# Altium PCB SI940D.PcbDoc (part 2 of 3)
Units mm, origin at the board's own origin, x right, y up, seen from the top; angles counter-clockwise.
Board outline 281.94 x 89 mm, 4 copper layers (Top, Mid-Layer1, Mid-Layer2, Bottom), stack 1.65 mm thick; 290 components, 161 nets, 820 pads, 571 vias.
Unrouted connection lines stored in the file: 3.
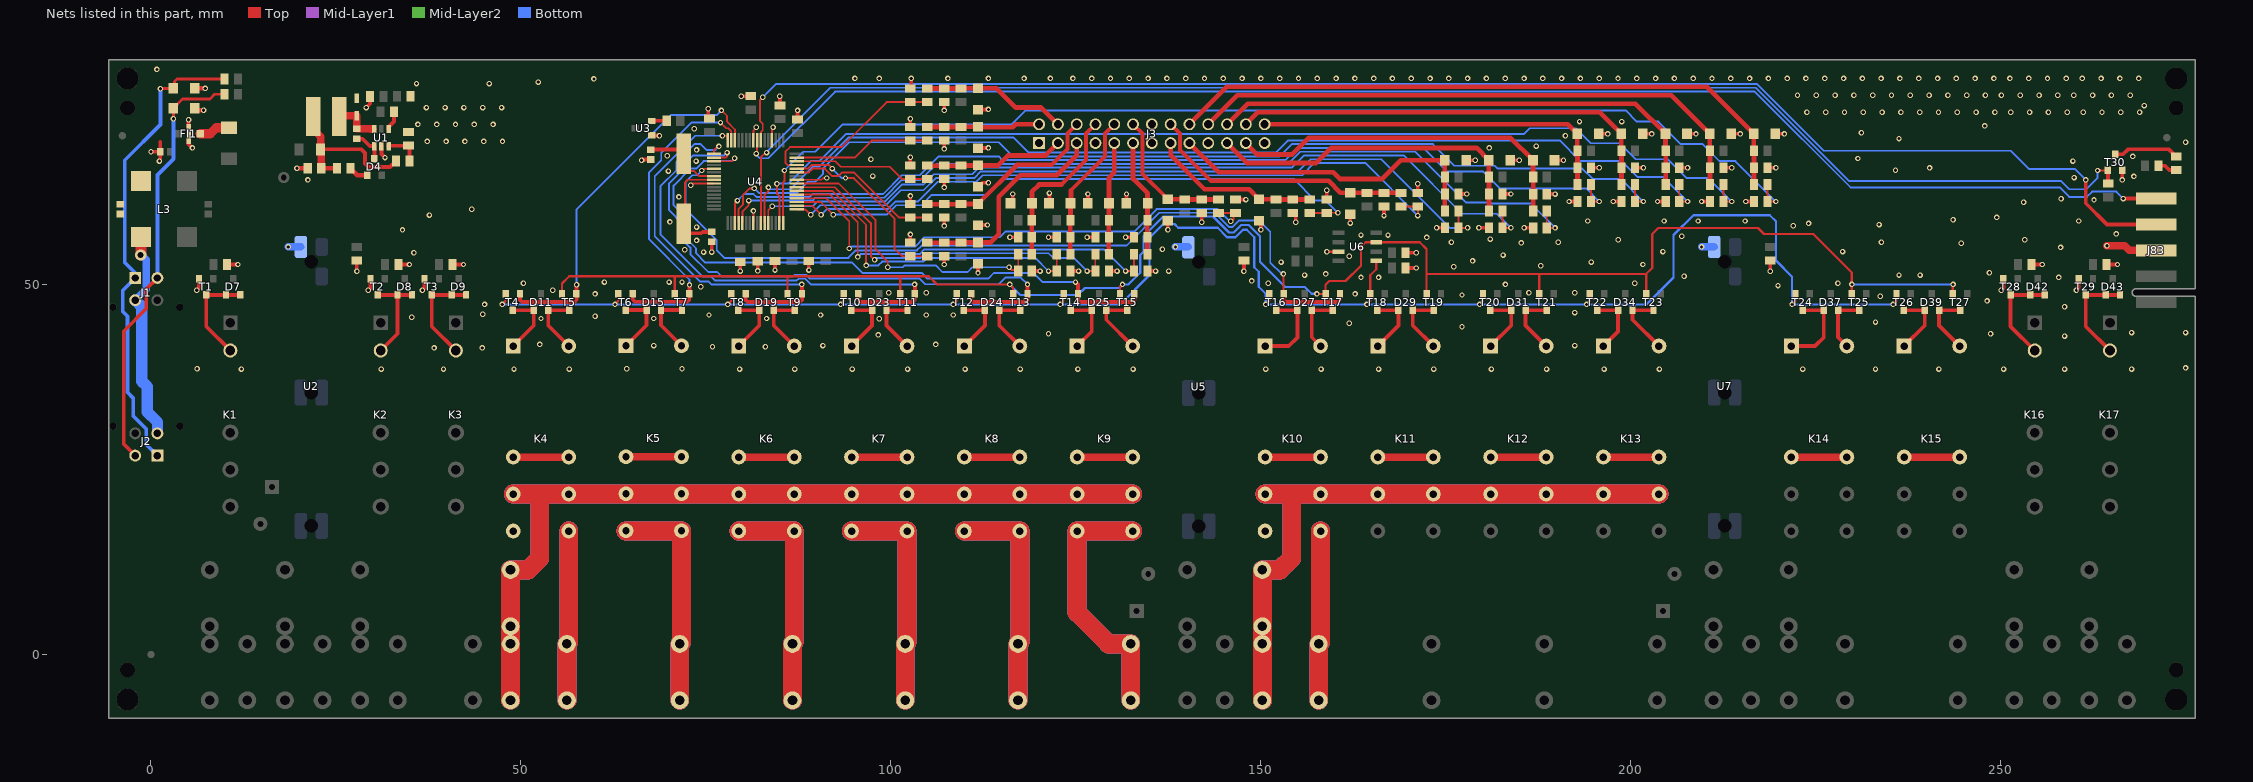
[diagram p4: the nets of this part, all layers, seen from the top]

## Via types
v1: diameter 0.737, hole 0.432, Top to Bottom, 561 vias
v2: diameter 1.27, hole 0.8, Top to Bottom, 6 vias
v3: diameter 1.524, hole 0.8, Top to Bottom, 4 vias

## Nets (pads, with @x,y where several pads share a name; then routed paths per layer and width w, separated by ;. In a path a pad name is that pad's centre, name@x,y a point inside that pad or via, vN(x,y) a via of type N, cw(c..) or ccw(c..) an arc to the next point about the centre after c; other vN are vias at no path point) (continued)
GND: C1.2 C2.1 C4.1 C5.2 C6.1 C7.1 C8.1 C9.1 C10.1 C11.1 C12.1 C13.1 C14.1 C15.1 C16.2 C17.1 C18.1 C19.1 C20.1 C21.1 C22.1 C23.1 C24.1 C25.1 C26.1 C27.2 C28.1 C29.1 C30.1 C31.1 C32.1 C33.1 C34.2 C35.1 C36.1 C37.1 C38.2 C39.1 C40.1 D1.A D2.A D6.A D10.A D12.A D13.A D14.A D16.A D17.A D18.A D20.A D21.A D22.A D26.A D28.A D30.A D32.A D33.A D35.A D36.A D38.A D40.A D41.A FI1.2 J3.1 J3.7 J3.13 J3.14 J3.19 J3.25 J83.3 L3.4 R4.1 R6.1 R7.1 R8.1 R11.1 R14.1 R17.1 R20.1 R23.1 R26.1 R29.1 R32.1 R35.1 R38.1 R43.1 R48.1 R51.1 R54.1 R57.1 R60.1 R63.1 R66.1 R69.1 R72.1 R74.1 R75.1 R80.1 T1.2 T2.2 T3.2 T28.2 T29.2 T30.2 U1.2 U2.3UC U3.1 U4.9 U4.20 U4.25 U4.41 U4.56 U5.3UC U6.3 U7.3UC | length 152.7
  Top w0.254: v1(72.934,63.422) 73.16,63.648 U4.41@76.065,63.648 ; v1(81.407,59.944) 81.407,59.707 81.415,59.699 U4.56@81.415,58.298 ; U4.25@81.415,69.498 81.415,70.747 81.788,71.12 v1(81.788,71.247) ; U4.20@83.915,69.498 83.915,71.088 v1(84.074,71.247) ; U4.9@87.265,64.148 90.611,64.148 90.851,64.389 v1(91.313,64.389) v1@91.313,64.262
  Top w0.381: v1(158.909,54.435) U6.3@160.56,54.435
  Top w0.5: v1(5.08,72.263) FI1.2@5.08,70.358 5.08,68.961 v1(5.588,68.453)
  Top w0.508: v1(0,67.945) C40.1@1.234,67.945 ; v1(1.143,66.675) 1.234,66.766 C40.1@1.234,67.945 ; 1.234,69.251 C40.1@1.234,67.945 ; v1(6.191,49.212) 6.486,49.508 T1.2@6.486,50.789 ; R6.1@10.281,52.705 v1(11.747,52.705) ; v1(27.819,51.791) C5.2@27.819,53.257 ; v1(29.083,73.914) 29.597,74.428 C1.2@29.597,75.406 ; v1(29.369,49.212) 29.664,49.508 T2.2@29.664,50.789 ; U1.2@31.147,68.699 31.147,67.627 v1(31.623,67.151) ; R7.1@33.458,52.705 v1@34.766,52.705 ; v1(36.671,49.212) 36.966,49.508 T3.2@36.966,50.789 ; R8.1@40.761,52.705 v1(42.227,52.705) ; v1(66.294,66.802) 66.385,66.893 C21.1@67.564,66.893 ; U3.1@67.648,70.145 68.666,70.145 v1(68.707,70.104) ; C20.1@75.315,72.433 v1(75.315,73.741) ; v1(75.791,54.373) C22.1@75.791,55.766 ; v1(79.629,51.816) C16.2@79.629,53.188 ; v1(79.756,75.438) 81.019,75.438 C18.1@81.03,75.449 ; v1(81.982,51.833) C24.1@81.982,53.141 ; v1(84.328,51.943) C25.1@84.328,53.188 ; v1(84.963,75.438) 84.999,75.402 C17.1@84.999,74.179 ; C19.1@87.38,72.274 v1(87.38,73.529) ; v1(88.9,51.943) C23.1@88.9,53.188 ; C12.1@102.616,55.651 v1(102.616,56.769) ; C14.1@102.616,60.858 v1(102.616,61.976) ; C8.1@102.616,66.065 v1(102.616,67.183) ; C6.1@102.616,71.272 v1(102.616,72.39) ; C10.1@102.616,76.479 102.743,76.606 v1(102.743,77.851) ; v1(107.188,52.705) R29.1@107.188,53.823 ; v1(107.188,57.912) R35.1@107.188,59.03 ; v1(107.188,63.119) R17.1@107.188,64.237 ; v1(107.188,68.326) R11.1@107.188,69.444 ; v1(107.188,73.533) R23.1@107.188,74.651 ; v1(111.76,51.562) D18.A@111.76,52.779 ; D21.A@111.76,57.986 111.813,58.039 v1(113.03,58.039) ; D13.A@111.76,63.193 112.321,63.754 v1(113.157,63.754) ; D16.A@111.76,73.607 111.813,73.66 v1(113.157,73.66) ; D10.A@111.813,68.453 v1(113.157,68.453) ; v1(116.078,56.388) R14.1@117.196,56.388 ; D12.A@116.152,60.96 116.459,61.267 v1(116.459,62.23) ; C7.1@119.024,51.816 v1(120.142,51.816) ; v1(121.285,56.388) R26.1@122.403,56.388 ; D17.A@121.359,60.96 121.412,61.013 v1(121.412,62.357) ; C11.1@124.231,51.816 v1(125.349,51.816) ; v1(126.492,56.388) R20.1@127.61,56.388 ; D14.A@126.566,60.96 126.619,61.013 v1(126.619,62.23) ; C9.1@129.438,51.816 v1(130.556,51.816) ; v1(131.699,56.388) R32.1@132.817,56.388 ; D20.A@131.773,60.96 131.826,61.013 v1(131.826,62.23) ; C13.1@134.645,51.816 v1(135.763,51.816) ; v1(137.414,57.404) D22.A@137.414,58.621 ; v1(141.986,58.42) R38.1@141.986,59.665 ; C15.1@146.558,61.493 147.93,61.493 v1(147.955,61.468) ; v1(147.696,51.791) C27.2@147.696,53.257 ; D26.A@149.733,58.621 149.987,58.367 v1(149.987,57.404) ; R43.1@154.305,59.665 154.686,59.284 v1(154.686,58.42) ; C26.1@158.877,61.493 v1(158.877,62.738) ; v1(162.052,58.293) D28.A@162.052,59.51 ; v1(166.624,59.309) R48.1@166.624,60.554 ; C39.1@169.507,52.229 v1(170.974,52.229) ; C38.2@169.507,54.292 v1(170.974,54.292) ; C28.1@171.196,62.382 v1(171.196,63.627) ; v1(173.736,57.658) C29.1@174.854,57.658 ; R51.1@176.682,62.23 v1(177.8,62.23) ; D30.A@177.726,66.802 v1(178.943,66.802) ; v1(179.451,57.658) C32.1@180.823,57.658 ; R60.1@182.651,62.23 v1(183.769,62.23) ; D35.A@183.695,66.802 v1(184.912,66.802) ; v1(185.547,57.658) 186.776,57.658 C35.1@186.792,57.642 ; R66.1@188.62,62.214 v1(189.738,62.214) ; D38.A@189.664,66.786 v1(190.881,66.786) ; v1(191.643,61.214) C37.1@192.761,61.214 ; R72.1@194.589,65.786 v1(195.707,65.786) ; D41.A@195.633,70.358 v1(196.85,70.358) ; v1(197.612,61.214) C36.1@198.73,61.214 ; R69.1@200.558,65.786 v1(201.676,65.786) ; D40.A@201.602,70.358 v1(202.819,70.358) ; v1(203.581,61.214) C33.1@204.699,61.214 ; R63.1@206.527,65.786 v1(207.645,65.786) ; D36.A@207.571,70.358 v1(208.788,70.358) ; v1(209.55,61.214) C31.1@210.668,61.214 ; R57.1@212.496,65.786 v1(213.614,65.786) ; D33.A@213.54,70.358 v1(214.757,70.358) ; v1(215.519,61.214) C30.1@216.637,61.214 ; R54.1@218.465,65.786 v1(219.583,65.786) ; v1(218.816,51.791) C34.2@218.816,53.257 ; D32.A@219.509,70.358 v1(220.726,70.358) ; v1(250.031,49.212) 250.326,49.508 T28.2@250.326,50.789 ; R74.1@254.121,52.705 v1(255.587,52.705) ; v1(260.191,49.212) 260.486,49.508 T29.2@260.486,50.789 ; R75.1@264.281,52.705 v1(265.748,52.705) ; v1(266.382,64.135) 266.382,65.394 T30.2@266.405,65.416
  Top w0.635: D2.A@5.927,73.803 6.181,73.549 v1(7.112,73.549) ; D1.A@5.927,76.502 v1(7.334,76.502) ; v1(19.717,65.722) C4.1@21.184,65.722
  Top w1.016: v1(264.319,55.245) 266.7,55.245 267.335,54.61 J83.3@270.975,54.61
  Bottom w1.016: v1@18.554,55.08 U2.3UC@20.26,55.08 ; v1(138.43,55.086) 138.436,55.08 U5.3UC@140.136,55.08 ; v1(209.55,55.086) 209.556,55.08 U7.3UC@211.256,55.08
  other v1: 12.224,38.576 31.115,38.576 39.529,38.576 49.054,38.576 56.515,38.576 79.534,38.576 86.995,38.576 94.774,38.576 102.235,38.576 110.014,38.576 117.475,38.576 125.254,38.576 132.715,38.576 150.654,38.576 158.115,38.576 165.894,38.576 173.355,38.576 181.134,38.576 188.595,38.576 196.374,38.576 203.835,38.576 223.202,38.576 233.045,38.576 241.617,38.576 250.349,38.576 258.604,38.576 267.652,38.576 6.223,38.624 64.294,38.621 71.755,38.621 274.955,38.735 38.259,41.434 44.767,41.434 75.882,41.593 83.026,41.593 67.945,41.751 90.805,41.751 192.405,41.751 52.546,41.91 106.045,41.91 258.604,43.021 98.266,43.18 121.285,43.339 248.602,43.339 267.652,43.497 274.955,43.497 177.165,44.291 161.925,44.767 233.045,44.926 98.425,45.364 52.705,45.402 67.945,45.402 83.185,45.402 35.242,45.561 60.008,45.72 75.406,45.879 90.487,45.879 104.775,45.879 108.426,45.879 44.831,45.99 192.405,46.196 258.604,46.99 45.085,47.307 248.126,47.784 233.68,48.419 177.165,48.578 60.008,48.736 162.719,48.736 99.695,48.895 104.775,48.895 186.214,48.895 192.405,48.895 54.292,49.212 74.295,49.689 219.869,49.847 183.039,50.006 50.324,50.165 150.971,50.165 200.501,50.165 227.965,50.165 61.277,50.324 70.009,50.324 71.755,50.324 148.749,50.482 163.512,50.959 165.894,50.959 257.81,50.959 207.169,51.117 155.892,51.276 236.22,51.276 239.077,51.276 158.75,51.435 248.444,51.594 137.541,51.816 176.054,52.387 187.801,52.546 34.925,52.705 201.612,52.705 152.717,53.023 194.627,53.023 178.594,53.181 161.925,53.816 182.721,53.975 35.535,54.28 74.68,54.373 204.311,54.451 228.6,54.451 72.14,54.691 136.684,54.769 258.064,55.007 18.554,55.086 244.634,55.562 185.166,55.626 175.736,55.721 190.182,55.721 233.839,55.721 73.727,55.961 198.279,56.039 253.206,56.039 180.975,56.134 172.402,56.356 206.851,56.515 163.512,56.674 167.164,56.674 265.589,56.832 33.985,57.379 73.727,57.758 221.933,57.944 233.521,58.102 223.996,58.261 70.121,58.45 194.151,58.579 204.47,58.579 209.074,58.579 215.424,58.579 260.509,58.579 243.522,58.737 249.428,59.071 37.624,59.372 43.339,60.166 253.047,61.119 262.572,61.436 258.127,61.595 71.346,61.834 21.209,64.135 259.874,64.453 267.97,64.611 97.536,64.643 69.917,65.327 235.744,65.437 240.347,65.754 73.66,66.675 259.715,66.675 97.282,66.929 230.664,67.024 267.811,67.31 69.759,67.391 73.727,68.184 180.848,68.453 187.198,68.707 274.955,69.215 37.338,69.342 39.878,69.342 42.418,69.342 44.958,69.342 47.498,69.342 236.22,69.723 191.135,70.104 231.14,70.517 73.41,71.042 247.809,71.438 36.068,71.628 38.608,71.628 41.148,71.628 43.688,71.628 46.228,71.628 193.04,72.009 198.755,72.009 223.774,73.279 226.314,73.279 228.854,73.279 231.394,73.279 233.934,73.279 236.474,73.279 239.014,73.279 241.554,73.279 244.094,73.279 246.634,73.279 249.174,73.279 251.333,73.279 253.873,73.279 256.413,73.279 258.953,73.279 261.112,73.279 263.652,73.279 266.192,73.279 268.732,73.279 37.211,73.914 39.751,73.914 42.291,73.914 44.831,73.914 47.371,73.914 269.367,74.184 222.504,75.565 225.044,75.565 227.584,75.565 230.124,75.565 232.664,75.565 235.204,75.565 237.744,75.565 240.284,75.565 242.824,75.565 245.364,75.565 247.904,75.565 250.063,75.565 252.603,75.565 255.143,75.565 257.683,75.565 259.842,75.565 262.382,75.565 264.922,75.565 267.462,75.565 35.877,77.153 45.72,77.153 52.324,77.359 59.849,77.787 95.123,77.851 98.425,77.851 107.696,77.851 113.157,77.851 117.983,77.851 121.539,77.851 124.587,77.851 127.127,77.851 129.667,77.851 132.207,77.851 134.747,77.851 137.287,77.851 139.827,77.851 142.367,77.851 144.907,77.851 147.447,77.851 149.987,77.851 152.527,77.851 155.067,77.851 157.607,77.851 160.147,77.851 162.687,77.851 165.227,77.851 167.767,77.851 170.307,77.851 172.847,77.851 175.387,77.851 177.927,77.851 180.467,77.851 183.007,77.851 185.547,77.851 188.087,77.851 190.627,77.851 193.167,77.851 195.707,77.851 198.247,77.851 200.787,77.851 203.327,77.851 205.867,77.851 208.407,77.851 210.947,77.851 213.487,77.851 216.027,77.851 218.567,77.851 221.107,77.851 223.647,77.851 226.187,77.851 228.727,77.851 231.267,77.851 233.807,77.851 236.347,77.851 238.887,77.851 241.427,77.851 243.967,77.851 246.507,77.851 249.047,77.851 251.206,77.851 253.746,77.851 256.286,77.851 258.826,77.851 260.985,77.851 263.525,77.851 266.065,77.851 268.605,77.851 0.794,79.057
GNDBUS: J1.3 J2.3 L3.3 R80.2 | length 28.8
  Top w1.5: v3(-1.397,53.975) -1.332,54.04 L3.3@-1.332,56.388
  Bottom w1.016: J1.3@-2.135,47.88 -0.635,49.38 -0.635,53.343 -1.267,53.975 v3(-1.397,53.975)
  Bottom w1.524: J1.3@-2.135,47.88 -1.245,46.99 -1.245,36.932 -0.508,36.195 -0.508,32.766 0.865,31.393 J2.3@0.865,29.88
ICSPCLK: J83.4 U4.23 | length 205
  Top w0.254: U4.23@82.415,69.498 82.415,70.604 82.677,70.866 82.677,71.755 82.296,72.136 82.296,74.93 v1(82.677,75.311)
  Top w0.508: v1(261.461,64.135) 261.461,60.968 264.319,58.11 J83.4@270.975,58.11
  Bottom w0.254: v1(82.677,75.311) 84.455,77.089 217.043,77.089 226.06,68.072 251.333,68.072 253.778,65.627 259.969,65.627 v1(261.461,64.135)
ICSPDAT: J83.5 U4.24 | length 201.7
  Top w0.254: v1(81.788,67.691) 81.915,67.818 U4.24@81.915,69.498
  Top w0.508: v1(266.526,61.61) J83.5@270.975,61.61
  Bottom w0.254: v1(81.788,67.691) 81.788,67.564 82.296,67.056 83.439,67.056 92.456,76.073 216.712,76.073 229.666,63.119 257.937,63.119 259.207,61.849 261.62,61.849 262.318,62.547 265.589,62.547 v1(266.526,61.61)
IN0: D10.K J3.2 R9.1 R10.1 R11.2 | length 15.3
  Top w0.635: R10.1@104.902,71.272 R11.2@107.188,71.272 R9.1@109.474,71.272 109.502,71.3 D10.K@111.76,71.3 111.813,71.247 116.459,71.247 116.862,71.65 J3.2@120.015,71.65
IN0_UC: C6.2 R10.2 U4.15 | length 18.6
  Top w0.254: U4.15@87.265,67.148 95.088,67.148 97.384,69.444 C6.2@102.616,69.444 R10.2@104.902,69.444
IN1: D13.K J3.3 R15.1 R16.1 R17.2 | length 18.9
  Top w0.635: R15.1@104.902,66.065 R17.2@107.188,66.065 R16.1@109.474,66.065 109.502,66.093 D13.K@111.76,66.093 114.48,66.093 115.824,67.437 120.882,67.437 J3.3@122.555,69.11
IN1_UC: C8.2 R15.2 U4.14 | length 18.6
  Top w0.254: U4.14@87.265,66.648 92.456,66.648 93.191,65.913 99.822,65.913 101.498,64.237 C8.2@102.616,64.237 R15.2@104.902,64.237
IN2: D16.K J3.4 R21.1 R22.1 R23.2 | length 19.7
  Top w0.635: R22.1@104.902,76.479 R23.2@107.188,76.479 R21.1@109.474,76.479 109.502,76.507 D16.K@111.76,76.507 114.247,76.507 116.84,73.914 120.291,73.914 J3.4@122.555,71.65
IN2_UC: C10.2 R22.2 U4.13 | length 25.2
  Top w0.203: U4.13@87.237,66.121 U4.13@87.265,66.148
  Top w0.254: U4.13@87.237,66.121 86.025,66.121 85.725,66.421 85.725,67.945 86.36,68.58 93.345,68.58 99.416,74.651 C10.2@102.616,74.651 R22.2@104.902,74.651
IN3: D18.K J3.5 R27.1 R28.1 R29.2 | length 29.7
  Top w0.635: R28.1@104.902,55.651 R29.2@107.188,55.651 R27.1@109.474,55.651 109.502,55.679 D18.K@111.76,55.679 113.464,55.679 114.554,56.769 114.554,61.849 117.475,64.77 122.428,64.77 125.095,67.437 J3.5@125.095,69.11
IN3_UC: C12.2 R28.2 U4.12 | length 25.3
  Top w0.254: U4.12@87.265,65.648 87.276,65.659 88.773,65.659 89.281,66.167 91.567,66.167 v1(92.075,65.659) ; v1(93.853,64.389) 94.996,64.389 100.457,58.928 100.457,54.864 101.498,53.823 C12.2@102.616,53.823 R28.2@104.902,53.823
  Bottom w0.254: v1(92.075,65.659) 93.345,64.389 v1(93.853,64.389)
IN4: D21.K J3.6 R33.1 R34.1 R35.2 | length 25.9
  Top w0.535: 121.666,66.167 123.825,68.326 123.825,70.38 J3.6@125.095,71.65
  Top w0.635: R33.1@104.902,60.858 R35.2@107.188,60.858 R34.1@109.474,60.858 109.502,60.886 D21.K@111.76,60.886 117.041,66.167 121.666,66.167
IN4_UC: C14.2 R33.2 U4.11 | length 21
  Top w0.254: U4.11@87.265,65.148 87.268,65.151 88.9,65.151 89.408,65.659 91.059,65.659 92.075,64.643 92.897,64.643 93.405,65.151 94.996,65.151 101.117,59.03 C14.2@102.616,59.03 R33.2@104.902,59.03
IN5: D12.K J3.8 R12.1 R13.1 R14.2 | length 22.9
  Top w0.535: 123.063,63.5 126.365,66.802 126.365,70.38 J3.8@127.635,71.65
  Top w0.635: R13.1@119.024,54.102 R14.2@119.024,56.388 R12.1@119.024,58.674 119.052,58.702 D12.K@119.052,60.96 119.052,62.537 120.015,63.5 123.063,63.5
IN5_UC: C7.2 R13.2 U4.8 | length 40.6
  Top w0.254: U4.8@87.265,63.648 92.943,63.648 97.917,58.674 97.917,54.737 99.568,53.086 v1(99.568,52.324) ; v1(115.951,52.324) 116.332,51.943 117.069,51.943 C7.2@117.196,51.816 R13.2@117.196,54.102
  Bottom w0.254: v1(99.568,52.324) 101.6,52.324 101.854,52.578 106.045,52.578 106.934,51.689 110.363,51.689 110.998,52.324 v1(115.951,52.324)
IN6: D14.K J3.9 R18.1 R19.1 R20.2 | length 15.3
  Top w0.635: R19.1@129.438,54.102 R20.2@129.438,56.388 R18.1@129.438,58.674 129.466,58.702 D14.K@129.466,60.96 129.466,64.442 130.175,65.151 J3.9@130.175,69.11
IN6_UC: C9.2 R19.2 U4.7 | length 50.7
  Top w0.254: U4.7@87.265,63.148 92.427,63.148 97.282,58.293 97.282,53.848 v1(97.79,53.34) ; v1(126.492,51.816) C9.2@127.61,51.816 R19.2@127.61,54.102
  Bottom w0.254: v1(97.79,53.34) 98.044,53.594 104.013,53.594 104.648,54.229 121.285,54.229 121.92,53.594 124.714,53.594 v1(126.492,51.816)
IN7: D17.K J3.10 R24.1 R25.1 R26.2 | length 20
  Top w0.535: 124.333,62.738 128.905,67.31 128.905,70.38 J3.10@130.175,71.65
  Top w0.635: R25.1@124.231,54.102 R26.2@124.231,56.388 R24.1@124.231,58.674 124.259,58.702 D17.K@124.259,60.96 124.333,61.034 124.333,62.738
IN7_UC: C11.2 R25.2 U4.6 | length 46
  Top w0.254: U4.6@87.265,62.648 92.038,62.648 96.647,58.039 v1(96.647,52.578) ; v1(121.285,51.816) C11.2@122.403,51.816 R25.2@122.403,54.102
  Bottom w0.254: v1(96.647,52.578) 98.298,52.578 98.806,53.086 104.394,53.086 104.902,53.594 119.507,53.594 v1(121.285,51.816)
IN8: D20.K J3.11 R30.1 R31.1 R32.2 | length 15.8
  Top w0.635: J3.11@132.715,69.11 132.715,64.262 134.673,62.304 D20.K@134.673,60.96 134.673,58.702 R31.1@134.645,58.674 R32.2@134.645,56.388 R30.1@134.645,54.102
IN8_UC: C13.2 R30.2 U4.5 | length 55.7
  Top w0.254: U4.5@87.265,62.148 91.776,62.148 95.504,58.42 v1(95.504,53.721) ; v1(131.699,51.816) C13.2@132.817,51.816 R30.2@132.817,54.102
  Bottom w0.254: v1(95.504,53.721) 95.885,54.102 103.886,54.102 104.521,54.737 128.778,54.737 v1(131.699,51.816)
IN9: D22.K J3.12 R36.1 R37.1 R38.2 | length 18.9
  Top w0.535: J3.12@132.715,71.65 133.985,70.38 133.985,64.95 D22.K@137.414,61.521
  Top w0.635: D22.K@137.414,61.521 139.672,61.521 R36.1@139.7,61.493 R38.2@141.986,61.493 R37.1@144.272,61.493
IN9_UC: C15.2 R37.2 U4.4 | length 70.3
  Top w0.254: U4.4@87.265,61.648 91.26,61.648 94.361,58.547 v1(94.361,54.864) ; R37.2@144.272,59.665 C15.2@146.558,59.665 146.304,59.411 146.304,58.801 146.05,58.547 v1(145.923,58.547)
  Bottom w0.254: v1(94.361,54.864) 94.615,55.118 103.251,55.118 104.521,56.388 114.681,56.388 115.443,57.15 132.842,57.15 135.89,60.198 144.145,60.198 145.796,58.547 v1(145.923,58.547)
IN10: D26.K J3.15 R42.1 R43.2 R44.1 | length 22.9
  Top w0.635: J3.15@137.795,69.11 137.795,67.437 142.367,62.865 148.389,62.865 D26.K@149.733,61.521 151.991,61.521 R44.1@152.019,61.493 R43.2@154.305,61.493 R42.1@156.591,61.493
IN10_UC: C26.2 R42.2 U4.3 | length 81.6
  Top w0.254: U4.3@87.265,61.148 90.49,61.148 v1(92.202,59.436) ; R42.2@156.591,59.665 C26.2@158.877,59.665 158.902,59.69 v1(160.401,59.69)
  Bottom w0.254: v1(92.202,59.436) 99.441,59.436 100.711,60.706 104.14,60.706 105.537,62.103 112.776,62.103 114.935,64.262 154.432,64.262 157.353,61.341 158.75,61.341 v1(160.401,59.69)
IN11: D28.K J3.16 R47.1 R48.2 R49.1 | length 36.2
  Top w0.535: J3.16@137.795,71.65 139.065,70.38 139.065,68.199 143.256,64.008
  Top w0.635: 143.256,64.008 159.131,64.008 160.729,62.41 D28.K@162.052,62.41 162.08,62.382 R49.1@164.338,62.382 R48.2@166.624,62.382 R47.1@168.91,62.382
IN11_UC: C28.2 R47.2 U4.2 | length 93.8
  Top w0.254: U4.2@87.265,60.648 89.339,60.648 v1(90.551,59.436) ; R47.2@168.91,60.554 C28.2@171.196,60.554 v1(171.196,59.309)
  Bottom w0.254: v1(90.551,59.436) 91.313,60.198 99.568,60.198 100.584,61.214 103.632,61.214 106.299,63.881 111.506,63.881 112.395,64.77 155.575,64.77 157.226,66.421 164.084,66.421 v1(171.196,59.309)
IN12: D30.K J3.17 R50.1 R51.2 R52.1 | length 44.4
  Top w0.635: J3.17@140.335,69.11 144.294,65.151 159.766,65.151 160.655,64.262 166.37,64.262 168.91,66.802 D30.K@174.826,66.802 174.826,64.544 R52.1@174.854,64.516 R51.2@174.854,62.23 R50.1@174.854,59.944
IN12_UC: C29.2 R50.2 U4.1 | length 101.4
  Top w0.254: U4.1@87.265,60.148 88.442,60.148 v1(89.154,59.436) ; R50.2@176.682,59.944 C29.2@176.682,57.658 v1(177.927,57.658)
  Bottom w0.254: v1(89.154,59.436) 90.424,60.706 99.314,60.706 101.346,62.738 104.394,62.738 106.045,64.389 111.252,64.389 112.141,65.278 155.067,65.278 156.718,66.929 166.243,66.929 175.514,57.658 v1(177.927,57.658)
IN13: D32.K J3.18 R53.1 R54.2 R55.1 | length 87.9
  Top w0.635: J3.18@140.335,71.65 145.393,76.708 210.259,76.708 D32.K@216.609,70.358 216.609,68.1 R55.1@216.637,68.072 R54.2@216.637,65.786 R53.1@216.637,63.5
IN13_UC: C30.2 R53.2 U4.64 | length 153
  Top w0.254: U4.64@85.415,58.298 85.415,63.825 85.598,64.008 v1(85.598,65.405) ; R53.2@218.465,63.5 C30.2@218.465,61.214 v1(219.583,61.214)
  Bottom w0.254: v1(85.598,65.405) 88.138,67.945 89.789,67.945 93.472,71.628 116.332,71.628 118.237,73.533 199.263,73.533 200.787,72.009 203.708,72.009 206.756,68.961 209.677,68.961 211.963,66.675 214.122,66.675 v1(219.583,61.214)
IN14: D33.K J3.20 R56.1 R57.2 R58.1 | length 78.4
  Top w0.635: J3.20@142.875,71.65 146.79,75.565 205.433,75.565 D33.K@210.64,70.358 210.64,68.1 R58.1@210.668,68.072 R57.2@210.668,65.786 R56.1@210.668,63.5
IN14_UC: C31.2 R56.2 U4.63 | length 145.1
  Top w0.254: v1(84.582,63.627) 84.582,62.293 84.915,61.961 U4.63@84.915,58.298 ; R56.2@212.496,63.5 C31.2@212.496,61.214 v1(213.614,61.214)
  Bottom w0.254: v1(84.582,63.627) 86.106,63.627 89.154,66.675 90.297,66.675 93.98,70.358 185.547,70.358 186.309,71.12 192.532,71.12 194.564,69.088 198.501,69.088 200.66,66.929 204.978,66.929 207.518,64.389 210.439,64.389 v1(213.614,61.214)
IN15: D35.K J3.21 R59.1 R60.2 R61.1 | length 44.9
  Top w0.635: J3.21@145.415,69.11 148.104,66.421 157.48,66.421 159.512,68.453 179.144,68.453 D35.K@180.795,66.802 180.795,64.544 R61.1@180.823,64.516 R60.2@180.823,62.23 R59.1@180.823,59.944
IN15_UC: C32.2 R59.2 U4.60 | length 112.6
  Top w0.254: U4.60@83.415,58.298 83.415,60.047 v1(83.947,60.579) ; R59.2@182.651,59.944 C32.2@182.651,57.658 v1(183.769,57.658)
  Bottom w0.254: v1(83.947,60.579) 89.408,60.579 90.043,61.214 99.187,61.214 101.473,63.5 104.394,63.5 105.791,64.897 110.998,64.897 111.887,65.786 154.178,65.786 155.829,67.437 169.291,67.437 177.165,59.563 181.864,59.563 v1(183.769,57.658)
IN16: D36.K J3.22 R62.1 R63.2 R64.1 | length 69
  Top w0.635: J3.22@145.415,71.65 148.187,74.422 200.607,74.422 D36.K@204.671,70.358 204.671,68.1 R64.1@204.699,68.072 R63.2@204.699,65.786 R62.1@204.699,63.5
IN16_UC: C33.2 R62.2 U4.59 | length 140.6
  Top w0.254: U4.59@82.915,58.298 82.915,62.103 83.439,62.627 v1(83.439,63.119) ; R62.2@206.527,63.5 C33.2@206.527,61.214 v1(207.645,61.214)
  Bottom w0.254: v1(83.439,63.119) 83.693,62.865 86.36,62.865 89.408,65.913 90.297,65.913 94.234,69.85 116.586,69.85 118.618,67.818 152.019,67.818 153.67,69.469 190.373,69.469 193.167,66.675 198.755,66.675 200.914,64.516 204.343,64.516 v1(207.645,61.214)
IN17: D38.K J3.23 R65.1 R66.2 R67.1 | length 48.5
  Top w0.635: J3.23@147.955,69.11 149.501,67.564 154.178,67.564 156.464,69.85 183.716,69.85 D38.K@186.764,66.802 ; D38.K@186.764,66.786 186.764,64.528 186.792,64.5 R66.2@186.792,62.214 R65.1@186.792,59.928
IN17_UC: C35.2 R65.2 U4.53 | length 122.8
  Top w0.254: U4.53@79.915,58.298 79.915,59.849 80.772,60.706 v1(80.772,61.341) ; R65.2@188.62,59.928 C35.2@188.62,57.642 v1(189.738,57.642)
  Bottom w0.254: v1(80.772,61.341) 89.408,61.341 89.789,61.722 99.06,61.722 101.473,64.135 104.013,64.135 106.172,66.294 153.67,66.294 155.321,67.945 170.815,67.945 177.673,61.087 180.975,61.087 181.102,60.96 186.42,60.96 v1(189.738,57.642)
IN18: D40.K J3.24 R68.1 R69.2 R70.1 | length 59.5
  Top w0.635: J3.24@147.955,71.65 149.584,73.279 195.781,73.279 D40.K@198.702,70.358 198.702,68.1 R70.1@198.73,68.072 R69.2@198.73,65.786 R68.1@198.73,63.5
IN18_UC: C36.2 R68.2 U4.52 | length 137.7
  Top w0.254: U4.52@79.415,58.298 79.415,60.238 80.01,60.833 80.01,62.103 80.899,62.992 v1(81.534,62.992) ; R68.2@200.558,63.5 C36.2@200.558,61.214 v1(201.676,61.214)
  Bottom w0.254: v1(81.534,62.992) 82.169,62.357 87.249,62.357 88.773,63.881 89.789,63.881 90.805,64.897 90.805,65.659 94.361,69.215 114.554,69.215 116.459,67.31 152.527,67.31 154.178,68.961 173.228,68.961 176.149,66.04 181.61,66.04 181.991,65.659 193.421,65.659 194.818,64.262 198.628,64.262 v1(201.676,61.214)
IN19: D41.K J3.26 R71.1 R72.2 R73.1 | length 49.6
  Top w0.635: J3.26@150.495,71.65 191.441,71.65 D41.K@192.733,70.358 192.733,68.1 R73.1@192.761,68.072 R72.2@192.761,65.786 R71.1@192.761,63.5
IN19_UC: C37.2 R71.2 U4.51 | length 129.7
  Top w0.254: U4.51@78.915,58.298 78.915,61.008 v1(79.248,61.341) ; R71.2@194.589,63.5 C37.2@194.589,61.214 v1(195.707,61.214)
  Bottom w0.254: v1(79.248,61.341) 80.137,62.23 81.407,62.23 81.788,61.849 89.027,61.849 89.408,62.23 98.933,62.23 101.473,64.77 103.886,64.77 106.426,67.31 114.554,67.31 115.062,66.802 153.289,66.802 154.94,68.453 171.958,68.453 175.133,65.278 179.959,65.278 182.245,62.992 193.929,62.992 v1(195.707,61.214)
LED: R76.1 T30.1 U4.58 | length 204
  Top w0.254: U4.58@82.415,58.298 82.415,67.175 83.058,67.818 v1(83.185,67.818) ; v1(263.049,65.405) 264.444,65.405 T30.1@264.455,65.416
  Top w0.508: T30.1@264.455,65.416 264.455,63.643 R76.1@264.477,63.621
  Bottom w0.254: v1(83.185,67.818) 83.185,67.945 91.821,76.581 216.877,76.581 229.45,64.008 258.064,64.008 259.207,62.865 261.493,62.865 263.049,64.421 v1(263.049,65.405)
NetC3_1: C3.1 D6.K L1.1 U1.6 | length 6.6
  Top w0.635: 29.718,71 U1.6@30.197,71
  Top w1.016: L1.1@25.435,72.707 25.531,72.803 D6.K@27.813,72.803 C3.1@27.813,71.032 29.686,71.032 29.718,71
NetC3_2: C3.2 D4.3 U1.1 | length 4.5
  Top w0.508: C3.2@27.813,69.691 28.568,69.691 29.559,68.7 U1.1@30.197,68.7 30.194,68.698 D4.3@30.194,66.981
NetC4_2: C4.2 L1.2 L2.1 R3.2 R78.2 | length 20.3
  Top w0.508: L2.1@22.913,68.263 28.448,68.263 28.924,67.786 28.924,66.358 29.4,65.881 32.296,65.881 R3.2@33.09,66.675
  Top w0.635: C4.2@23.012,65.722 R78.2@25.114,65.722 R78.2@25.284,65.722
  Top w1.016: L1.2@21.936,70.965 22.913,69.988 L2.1@22.913,68.263 23.012,68.163 C4.2@23.012,65.722
NetC21_2: C21.2 Q1.1 U4.39 | length 9.4
  Top w0.254: Q1.1@72.457,65.327 73.41,65.327 74.089,64.648 U4.39@76.065,64.648
  Top w0.305: Q1.1@72.14,66.743 Q1.1@72.14,67.219
  Top w0.508: C21.2@67.564,68.235 71.442,68.235 Q1.1@71.981,67.696 ; Q1.1@71.835,66.438 Q1.1@72.14,66.743
NetC22_2: C22.2 Q1.2 U4.40 | length 15.5
  Top w0.254: Q1.2@72.14,57.481 72.14,63.739 72.549,64.148 U4.40@76.065,64.148
  Top w0.508: Q1.2@71.981,58.196 71.981,56.913 74.362,56.913 74.557,57.108 C22.2@75.791,57.108
NetD1_K: D1.K J1.1 J2.1 R1.2 | length 64.4
  Top w0.381: v1(1.27,76.454) 1.318,76.502 D1.K@3.027,76.502 ; D1.K@3.011,76.597 3.191,76.777 3.191,77.438 3.524,77.772 R1.2@9.912,77.772
  Top w0.508: D1.K@2.987,76.573 D1.K@3.011,76.597
  Bottom w0.508: J2.1@0.865,26.88 -0.635,28.38 -0.635,30.48 -2.413,32.258 -2.413,34.671 -3.175,35.433 -3.175,45.72 -3.81,46.355 -3.81,49.205 J1.1@-2.135,50.88 -2.135,51.538 -3.556,52.959 -3.556,66.802 1.27,71.628 v1(1.27,76.454)
NetD2_K: D2.K J1.2 J2.2 R2.2 | length 58.4
  Top w0.381: v1@3.048,72.39 v1(3.027,72.411) D2.K@3.027,73.803 3.011,73.803 4.281,75.073 7.969,75.073 8.604,75.708 R2.2@9.912,75.708
  Top w0.508: J2.2@-2.135,26.88 -3.683,28.428 -3.683,43.688 -0.635,46.736 -0.635,49.38 J1.2@0.865,50.88 J1.2@0.635,51.11
  Bottom w0.508: J1.2@0.865,50.88 0.865,64.794 3.048,66.977 v1@3.048,72.411
NetD3_A: D3.A FI1.3 | length 4.2
  Top w1.254: FI1.3@6.667,70.358 8.001,70.358 8.815,71.172 D3.A@10.541,71.172
NetD4_1: D4.1 R78.1 | length 2.7
  Top w0.635: R78.1@26.943,65.722 27.884,64.781 D4.1@29.219,64.781
NetD7_1: D7.1 D7.2 K1.A1 T1.3 | length 13.5
  Top w0.508: K1.A1@10.725,41.08 7.461,44.344 T1.3@7.461,48.589 D7.1@10.138,48.589 D7.2@12.087,48.589
NetD8_1: D8.1 D8.2 K2.A1 T2.3 | length 13.1
  Top w0.508: T2.3@30.639,48.589 D8.1@33.315,48.589 ; K2.A1@31.045,41.08 33.315,43.35 D8.1@33.315,48.589 ; D8.2@35.265,48.589 D8.1@33.315,48.589
NetD9_1: D9.1 D9.2 K3.A1 T3.3 | length 13.5
  Top w0.508: K3.A1@41.205,41.08 37.941,44.344 T3.3@37.941,48.589 D9.1@40.618,48.589 D9.2@42.567,48.589
NetD11_1: D11.1 K4.A1 T4.3 | length 8.8
  Top w0.508: T4.3@48.895,46.525 D11.1@51.73,46.525 51.73,44.455 K4.A1@48.955,41.68
NetD11_2: D11.2 K4.A2 T5.3 | length 8.8
  Top w0.508: K4.A2@56.455,41.68 53.68,44.455 D11.2@53.68,46.525 T5.3@56.515,46.525
NetD15_1: D15.1 K5.A1 T6.3 | length 8.8
  Top w0.508: T6.3@64.135,46.57 66.97,46.57 D15.1@66.97,46.525 66.97,44.5 K5.A1@64.195,41.725
NetD15_2: D15.2 K5.A2 T7.3 | length 8.8
  Top w0.508: K5.A2@71.695,41.725 68.92,44.5 D15.2@68.92,46.525 68.92,46.57 T7.3@71.755,46.57
NetD19_1: D19.1 K6.A1 T8.3 | length 8.8
  Top w0.508: T8.3@79.375,46.525 D19.1@82.21,46.525 82.21,44.455 K6.A1@79.435,41.68
NetD19_2: D19.2 K6.A2 T9.3 | length 8.8
  Top w0.508: K6.A2@86.935,41.68 84.16,44.455 D19.2@84.16,46.525 T9.3@86.995,46.525
NetD23_1: D23.1 K7.A1 T10.3 | length 8.8
  Top w0.508: T10.3@94.615,46.525 D23.1@97.45,46.525 97.45,44.455 K7.A1@94.675,41.68
NetD23_2: D23.2 K7.A2 T11.3 | length 8.8
  Top w0.508: K7.A2@102.175,41.68 99.4,44.455 D23.2@99.4,46.525 T11.3@102.235,46.525
NetD24_1: D24.1 K8.A1 T12.3 | length 8.8
  Top w0.508: T12.3@109.855,46.525 D24.1@112.69,46.525 112.69,44.455 K8.A1@109.915,41.68
NetD24_2: D24.2 K8.A2 T13.3 | length 8.8
  Top w0.508: K8.A2@117.415,41.68 114.64,44.455 D24.2@114.64,46.525 T13.3@117.475,46.525
NetD25_1: D25.1 K9.A1 T14.3 | length 8.5
  Top w0.508: T14.3@124.301,46.525 D25.1@127.136,46.525 127.136,43.661 K9.A1@125.155,41.68
NetD25_2: D25.2 K9.A2 T15.3 | length 9.2
  Top w0.508: T15.3@131.921,46.525 D25.2@129.086,46.525 129.086,45.249 K9.A2@132.655,41.68
NetD27_1: D27.1 K10.A1 T16.3 | length 11.4
  Top w0.508: K10.A1@150.555,41.68 153.758,41.68 154.918,42.84 D27.1@154.918,46.525 T16.3@152.082,46.525
NetD27_2: D27.2 K10.A2 T17.3 | length 8.2
  Top w0.508: K10.A2@158.055,41.68 156.867,42.868 D27.2@156.867,46.525 T17.3@159.702,46.525
NetD29_1: D29.1 K11.A1 T18.3 | length 8.8
  Top w0.508: T18.3@165.735,46.525 D29.1@168.57,46.525 168.57,44.455 K11.A1@165.795,41.68
NetD29_2: D29.2 K11.A2 T19.3 | length 8.8
  Top w0.508: K11.A2@173.295,41.68 170.52,44.455 D29.2@170.52,46.525 T19.3@173.355,46.525
NetD31_1: D31.1 K12.A1 T20.3 | length 8.8
  Top w0.508: T20.3@180.975,46.525 D31.1@183.81,46.525 183.81,44.455 K12.A1@181.035,41.68
NetD31_2: D31.2 K12.A2 T21.3 | length 8.8
  Top w0.508: K12.A2@188.535,41.68 185.76,44.455 D31.2@185.76,46.525 T21.3@188.595,46.525
NetD34_1: D34.1 K13.A1 T22.3 | length 8.5
  Top w0.508: T22.3@195.421,46.525 D34.1@198.256,46.525 198.256,43.661 K13.A1@196.275,41.68
NetD34_2: D34.2 K13.A2 T23.3 | length 9.2
  Top w0.508: T23.3@203.041,46.525 D34.2@200.206,46.525 200.206,45.249 K13.A2@203.775,41.68
NetD37_1: D37.1 K14.A1 T24.3 | length 11.4
  Top w0.508: K14.A1@221.675,41.68 224.878,41.68 226.038,42.84 D37.1@226.038,46.525 T24.3@223.202,46.525
NetD37_2: D37.2 K14.A2 T25.3 | length 8.2
  Top w0.508: K14.A2@229.175,41.68 227.987,42.868 D37.2@227.987,46.525 T25.3@230.822,46.525
NetD39_1: D39.1 K15.A1 T26.3 | length 8.8
  Top w0.508: T26.3@236.855,46.525 D39.1@239.69,46.525 239.69,44.455 K15.A1@236.915,41.68
NetD39_2: D39.2 K15.A2 T27.3 | length 8.8
  Top w0.508: K15.A2@244.415,41.68 241.64,44.455 D39.2@241.64,46.525 T27.3@244.475,46.525
NetD42_1: D42.1 D42.2 K16.A1 T28.3 | length 13.5
  Top w0.508: K16.A1@254.565,41.08 251.301,44.344 T28.3@251.301,48.589 D42.1@253.978,48.589 D42.2@255.927,48.589
NetD43_1: D43.1 D43.2 K17.A1 T29.3 | length 13.5
  Top w0.508: K17.A1@264.725,41.08 261.461,44.344 T29.3@261.461,48.589 D43.1@264.138,48.589 D43.2@266.087,48.589
NetDL1_A: DL1.A R77.2 | length 2.7
  Top w0.508: R77.2@271.266,66.04 272.158,66.04 272.733,65.466 DL1.A@273.685,65.466
NetDL1_K: DL1.K T30.3 | length 8.9
  Top w0.508: T30.3@265.43,67.616 266.53,67.616 267.176,68.263 272.717,68.263 DL1.K@273.685,67.294
NetK4_12: K4.12 K4.22 | length 7.5
  Top w1.016: K4.12@48.955,26.68 K4.22@56.455,26.68
NetK5_12: K5.12 K5.22 | length 7.5
  Top w1.016: K5.12@64.195,26.725 K5.22@71.695,26.725
NetK6_12: K6.12 K6.22 | length 7.5
  Top w1.016: K6.12@79.435,26.68 K6.22@86.935,26.68
NetK7_12: K7.12 K7.22 | length 7.5
  Top w1.016: K7.12@94.675,26.68 K7.22@102.175,26.68
NetK8_12: K8.12 K8.22 | length 7.5
  Top w1.016: K8.12@109.915,26.68 K8.22@117.415,26.68
NetK9_12: K9.12 K9.22 | length 7.5
  Top w1.016: K9.12@125.155,26.68 K9.22@132.655,26.68
NetK10_12: K10.12 K10.22 | length 7.5
  Top w1.016: K10.12@150.555,26.68 K10.22@158.055,26.68
NetK11_12: K11.12 K11.22 | length 7.5
  Top w1.016: K11.12@165.795,26.68 K11.22@173.295,26.68
NetK12_12: K12.12 K12.22 | length 7.5
  Top w1.016: K12.12@181.035,26.68 K12.22@188.535,26.68
NetK13_12: K13.12 K13.22 | length 7.5
  Top w1.016: K13.12@196.275,26.68 K13.22@203.775,26.68
NetK14_12: K14.12 K14.22 | length 7.5
  Top w1.016: K14.12@221.675,26.68 K14.22@229.175,26.68
NetK15_12: K15.12 K15.22 | length 7.5
  Top w1.016: K15.12@236.915,26.68 K15.22@244.415,26.68
NetR3_1: R3.1 R4.2 U1.3 | length 4.9
  Top w0.508: U1.3@32.097,68.7 32.136,68.739 34.48,68.739 R4.2@34.62,68.599 ; R4.2@34.798,68.777 R4.2@34.62,68.599 ; R3.1@34.919,66.675 34.919,68.301 R4.2@34.62,68.599
NetR5_1: R5.1 U1.4 | length 2.7
  Top w0.508: U1.4@32.097,71 32.097,71.276 32.855,72.034 R5.1@32.855,73.343
NetR39_1: R39.1 U3.2 | length 2.1
  Top w0.508: U3.2@67.648,72.095 67.689,72.136 R39.1@69.698,72.136
NetT4_2: T4.2 T6.2 T8.2 T10.2 T12.2 T14.2 T16.2 T18.2 T20.2 T22.2 T24.2 T26.2 U6.5 | length 247.9
  Top w0.305: v1(47.466,47.307) 47.92,47.761 T4.2@47.92,48.725 ; v1(62.706,47.307) 63.16,47.761 T6.2@63.16,48.725 ; v1(77.946,47.307) 78.4,47.761 T8.2@78.4,48.725 ; v1(93.186,47.307) 93.64,47.761 T10.2@93.64,48.725 ; v1(108.426,47.307) 108.88,47.761 T12.2@108.88,48.725 ; v1(122.872,47.307) 123.326,47.761 T14.2@123.326,48.725 ; v1(150.654,47.307) 151.108,47.761 T16.2@151.108,48.725 ; v1(164.306,47.307) 164.76,47.761 T18.2@164.76,48.725 164.76,51.254 165.576,52.07 U6.5@165.576,53.181 ; v1(179.546,47.307) 180,47.761 T20.2@180,48.725 ; v1(193.992,47.307) 194.446,47.761 T22.2@194.446,48.725 ; v1(221.774,47.307) 222.228,47.761 T24.2@222.228,48.725 ; v1(235.426,47.307) 235.88,47.761 T26.2@235.88,48.725
  Bottom w0.305: v1(47.466,47.307) v1(62.706,47.307) v1(77.946,47.307) v1(93.186,47.307) v1(108.426,47.307) v1(122.872,47.307) 130.969,47.307 134.938,51.276 134.938,56.325 136.779,58.166 138.303,58.166 138.811,57.658 144.145,57.658 145.415,56.388 146.558,56.388 147.574,57.404 148.082,57.404 149.098,56.388 149.098,52.324 149.701,51.721 149.701,49.689 150.654,48.736 v1(150.654,47.307) v1(164.306,47.307) v1(179.546,47.307) v1(193.992,47.307) 202.089,47.307 205.74,50.959 205.74,56.674 208.439,59.372 218.757,59.372 219.583,58.547 219.583,53.245 221.774,51.054 v1(221.774,47.307) v1(235.426,47.307)
NetT5_2: T5.2 T7.2 T9.2 T11.2 T13.2 T15.2 T17.2 T19.2 T21.2 T23.2 T25.2 T27.2 U6.7 | length 244
  Top w0.305: T5.2@55.54,48.725 55.54,50.143 56.515,51.117 70.78,51.117 ; T7.2@70.78,48.725 70.78,51.117 ; T9.2@86.02,48.725 86.02,51.117 ; T11.2@101.26,48.725 101.26,51.117 ; T13.2@116.5,48.725 116.5,49.552 v1(116.046,50.006) 106.204,50.006 105.093,51.117 101.26,51.117 ; T15.2@130.946,48.725 130.946,49.666 v1(131.286,50.006) ; v1(157.559,48.736) 157.571,48.725 T17.2@158.728,48.725 158.728,49.961 159.226,50.46 161.426,50.46 163.512,52.546 163.512,55.086 164.147,55.721 U6.7@165.576,55.721 171.45,55.721 172.38,54.791 172.38,51.435 ; T19.2@172.38,48.725 172.38,51.435 ; T21.2@187.62,48.725 187.62,51.413 187.642,51.435 ; T23.2@202.066,48.725 202.066,51.435 ; T25.2@229.848,48.725 v1(229.848,50.006) 229.848,51.616 224.631,56.832 217.964,56.832 217.17,57.626 203.676,57.626 202.86,56.81 202.86,52.229 202.066,51.435 ; T27.2@243.5,48.725 243.5,49.984 v1(243.522,50.006) ; 70.78,51.117 86.02,51.117 ; 86.02,51.117 101.26,51.117 ; 172.38,51.435 187.642,51.435 ; 187.642,51.435 202.066,51.435
  Bottom w0.305: v1(116.046,50.006) 117.475,48.578 125.254,48.578 126.206,49.53 130.81,49.53 v1(131.286,50.006) 132.08,50.006 133.667,51.594 133.667,53.975 134.112,54.419 134.112,56.515 136.779,59.182 143.51,59.182 145.669,57.023 146.304,57.023 147.32,58.039 148.336,58.039 149.86,56.515 149.86,53.086 153.289,49.657 155.924,49.657 156.845,48.736 v1(157.559,48.736) ; v1(229.848,50.006) v1(243.522,50.006)
RB0_UC: T4.1 T5.1 U4.30 | length 50.9
  Top w0.254: v1(77.089,73.533) 77.851,72.771 77.851,72.009 78.915,70.945 U4.30@78.915,69.498
  Top w0.508: T4.1@49.87,48.725 49.87,47.92 50.165,47.625 57.21,47.625 57.531,47.946 57.531,48.684 T5.1@57.49,48.725 57.49,49.962 v1(57.506,49.978)
  Bottom w0.254: v1(57.506,49.978) 57.506,60.173 70.231,72.898 76.454,72.898 v1(77.089,73.533)
RB0CO: J22.1 J22.2 J23.1 J23.2 K4.11 K4.21 K5.11 K5.21 K6.11 K6.21 K7.11 K7.21 K8.11 K8.21 K9.11 K9.21 | length 458
  Top w2.54: J23.1@48.585,-6.19 J23.2@48.585,1.43 J22.1@48.585,3.81 J22.2@48.585,11.43 50.959,11.43 52.546,13.018 52.546,21.59 ; K4.11@48.955,21.68 K4.21@56.455,21.68 K6.11@79.435,21.68 K6.21@86.935,21.68 K7.11@94.675,21.68 K7.21@102.175,21.68 K8.11@109.915,21.68 K8.21@117.415,21.68 K9.11@125.155,21.68 K9.21@132.655,21.68
  Mid-Layer1 w2.54: J23.1@48.585,-6.19 J23.2@48.585,1.43 J22.1@48.585,3.81 J22.2@48.585,11.43 50.959,11.43 52.546,13.018 52.546,21.59 ; K4.11@48.955,21.68 K4.21@56.455,21.68 K6.11@79.435,21.68 K6.21@86.935,21.68 K7.11@94.675,21.68 K7.21@102.175,21.68 K8.11@109.915,21.68 K8.21@117.415,21.68 K9.11@125.155,21.68 K9.21@132.655,21.68
  Mid-Layer2 w2.54: J23.1@48.585,-6.19 J23.2@48.585,1.43 J22.1@48.585,3.81 J22.2@48.585,11.43 50.959,11.43 52.546,13.018 52.546,21.59 ; K4.11@48.955,21.68 K4.21@56.455,21.68 K6.11@79.435,21.68 K6.21@86.935,21.68 K7.11@94.675,21.68 K7.21@102.175,21.68 K8.11@109.915,21.68 K8.21@117.415,21.68 K9.11@125.155,21.68 K9.21@132.655,21.68
  Bottom w2.54: J23.1@48.585,-6.19 J23.2@48.585,1.43 J22.1@48.585,3.81 J22.2@48.585,11.43 50.959,11.43 52.546,13.018 52.546,21.59 ; K4.11@48.955,21.68 K4.21@56.455,21.68 K6.11@79.435,21.68 K6.21@86.935,21.68 K7.11@94.675,21.68 K7.21@102.175,21.68 K8.11@109.915,21.68 K8.21@117.415,21.68 K9.11@125.155,21.68 K9.21@132.655,21.68
RB0NO: J25.1 J25.2 K4.14 K4.24 | length 91.9
  Top w2.54: J25.1@56.205,-6.19 J25.2@56.205,1.43 56.455,1.68 K4.24@56.455,16.68
  Mid-Layer1 w2.54: J25.1@56.205,-6.19 J25.2@56.205,1.43 56.455,1.68 K4.24@56.455,16.68
  Mid-Layer2 w2.54: J25.1@56.205,-6.19 J25.2@56.205,1.43 56.455,1.68 K4.24@56.455,16.68
  Bottom w2.54: J25.1@56.205,-6.19 J25.2@56.205,1.43 56.455,1.68 K4.24@56.455,16.68
RB1_UC: T6.1 T7.1 U4.31 | length 44.3
  Top w0.254: v1(76.962,71.882) 77.724,71.12 77.978,71.12 78.415,70.683 U4.31@78.415,69.498
  Top w0.508: T6.1@65.11,48.725 65.11,47.965 65.405,47.67 72.48,47.67 72.73,47.92 T7.1@72.73,48.725 ; T7.1@72.771,48.725 v1(72.771,49.943)
  Bottom w0.254: v1(72.771,49.943) 72.771,50.673 67.31,56.134 67.31,65.151 68.961,66.802 68.961,67.818 73.025,71.882 v1(76.962,71.882)
RB1NO: J28.1 J28.2 K5.14 K5.24 | length 121.9
  Top w2.54: K5.14@64.195,16.68 71.695,16.68 71.695,1.68 J28.2@71.445,1.43 J28.1@71.445,-6.19
  Mid-Layer1 w2.54: K5.14@64.195,16.68 71.695,16.68 71.695,1.68 J28.2@71.445,1.43 J28.1@71.445,-6.19
  Mid-Layer2 w2.54: K5.14@64.195,16.68 71.695,16.68 71.695,1.68 J28.2@71.445,1.43 J28.1@71.445,-6.19
  Bottom w2.54: K5.14@64.195,16.68 71.695,16.68 71.695,1.68 J28.2@71.445,1.43 J28.1@71.445,-6.19
RB2_UC: T8.1 T9.1 U4.32 | length 54
  Top w0.254: v1(77.216,70.104) 77.724,70.104 77.915,69.913 U4.32@77.915,69.498
  Top w0.508: T8.1@80.35,48.725 80.35,47.92 80.645,47.625 87.675,47.625 87.97,47.92 T9.1@87.97,48.725 v1@87.97,49.743 ; v1@87.947,49.784 v1(87.947,50.006)
  Bottom w0.254: v1(77.216,70.104) 73.533,70.104 68.072,64.643 68.072,56.515 74.168,50.419 75.311,50.419 75.724,50.006 v1(87.947,50.006)
RB2NO: J31.1 J31.2 K6.14 K6.24 | length 121.9
  Top w2.54: K6.14@79.435,16.68 K6.24@86.935,16.68 86.935,1.68 J31.2@86.685,1.43 J31.1@86.685,-6.19
  Mid-Layer1 w2.54: K6.14@79.435,16.68 K6.24@86.935,16.68 86.935,1.68 J31.2@86.685,1.43 J31.1@86.685,-6.19
  Mid-Layer2 w2.54: K6.14@79.435,16.68 K6.24@86.935,16.68 86.935,1.68 J31.2@86.685,1.43 J31.1@86.685,-6.19
  Bottom w2.54: K6.14@79.435,16.68 K6.24@86.935,16.68 86.935,1.68 J31.2@86.685,1.43 J31.1@86.685,-6.19
RB3_UC: T10.1 T11.1 U4.33 | length 67.2
  Top w0.254: U4.33@76.065,67.648 76.065,68.141 76.585,68.661 v1(76.744,68.661)
  Top w0.508: T10.1@95.59,48.725 95.59,47.92 95.885,47.625 102.915,47.625 103.21,47.92 T11.1@103.21,48.725 ; T11.1@103.251,48.725 v1@103.251,49.784
  Bottom w0.254: v1(76.744,68.661) 76.282,68.199 75.057,68.199 74.295,68.961 73.406,68.961 70.993,66.548 70.993,65.405 68.834,63.246 68.834,56.769 74.549,51.054 75.692,51.054 76.2,50.546 87.265,50.546 87.503,50.784 88.408,50.784 89.186,50.006 v1(103.188,50.006)
RB3NO: J34.1 J34.2 K7.14 K7.24 | length 121.9
  Top w2.54: K7.14@94.675,16.68 K7.24@102.175,16.68 102.175,1.68 J34.2@101.925,1.43 J34.1@101.925,-6.19
  Mid-Layer1 w2.54: K7.14@94.675,16.68 K7.24@102.175,16.68 102.175,1.68 J34.2@101.925,1.43 J34.1@101.925,-6.19
  Mid-Layer2 w2.54: K7.14@94.675,16.68 K7.24@102.175,16.68 102.175,1.68 J34.2@101.925,1.43 J34.1@101.925,-6.19
  Bottom w2.54: K7.14@94.675,16.68 K7.24@102.175,16.68 102.175,1.68 J34.2@101.925,1.43 J34.1@101.925,-6.19
RB4_UC: T12.1 T13.1 U4.34 | length 82
  Top w0.254: U4.34@76.065,67.148 77.689,67.148 77.851,67.31 v1(77.851,67.818)
  Top w0.508: T12.1@110.83,48.725 110.83,47.92 111.125,47.625 118.155,47.625 118.45,47.92 T13.1@118.45,48.725 v1(118.45,50.006)
  Bottom w0.254: v1(77.851,67.818) 77.47,67.437 73.279,67.437 71.882,66.04 71.882,65.532 69.977,63.627 69.977,60.071 71.882,58.166 71.882,56.007 72.898,54.991 72.898,54.102 75.311,51.689 76.517,51.689 77.153,51.054 86.741,51.054 86.995,51.308 88.519,51.308 89.027,50.8 103.886,50.8 104.648,50.038 114.554,50.038 115.443,50.927 117.529,50.927 v1(118.45,50.006)
RB4NO: J37.1 J37.2 K8.14 K8.24 | length 121.9
  Top w2.54: K8.14@109.915,16.68 K8.24@117.415,16.68 117.415,1.68 J37.2@117.165,1.43 J37.1@117.165,-6.19
  Mid-Layer1 w2.54: K8.14@109.915,16.68 K8.24@117.415,16.68 117.415,1.68 J37.2@117.165,1.43 J37.1@117.165,-6.19
  Mid-Layer2 w2.54: K8.14@109.915,16.68 K8.24@117.415,16.68 117.415,1.68 J37.2@117.165,1.43 J37.1@117.165,-6.19
  Bottom w2.54: K8.14@109.915,16.68 K8.24@117.415,16.68 117.415,1.68 J37.2@117.165,1.43 J37.1@117.165,-6.19
RB5_UC: T14.1 T15.1 U4.35 | length 87.9
  Top w0.254: U4.35@76.065,66.648 78.459,66.648 v1(78.867,67.056)
  Top w0.508: v1(124.936,50.324) 125.276,49.984 T14.1@125.276,48.725 125.276,47.92 125.571,47.625 132.601,47.625 132.896,47.92 T15.1@132.896,48.725
  Bottom w0.254: v1(78.867,67.056) 78.486,66.675 74.676,66.675 73.66,65.659 72.898,65.659 70.612,63.373 70.612,60.706 72.771,58.547 72.771,55.753 73.66,54.864 73.66,54.229 74.93,52.959 94.742,52.959 96.139,51.562 104.14,51.562 104.902,50.8 113.157,50.8 113.919,51.562 119.253,51.562 120.491,50.324 v1(124.936,50.324)
RB5NO: J40.1 J40.2 K9.14 K9.24 | length 140.5
  Top w2.54: J40.1@132.405,-6.19 J40.2@132.405,1.43 129.396,1.43 125.155,5.671 K9.14@125.155,16.68 K9.24@132.655,16.68
  Mid-Layer1 w2.54: J40.1@132.405,-6.19 J40.2@132.405,1.43 129.396,1.43 125.155,5.671 K9.14@125.155,16.68 K9.24@132.655,16.68
  Mid-Layer2 w2.54: J40.1@132.405,-6.19 J40.2@132.405,1.43 129.396,1.43 125.155,5.671 K9.14@125.155,16.68 K9.24@132.655,16.68
  Bottom w2.54: J40.1@132.405,-6.19 J40.2@132.405,1.43 129.396,1.43 125.155,5.671 K9.14@125.155,16.68 K9.24@132.655,16.68
RB6_UC: T16.1 T17.1 U4.37 | length 113.8
  Top w0.254: v1(74.422,65.405) 74.665,65.648 U4.37@76.065,65.648 ; v1(153.035,51.435) 153.057,51.413 T16.1@153.057,48.725
  Top w0.508: T16.1@153.057,48.725 153.057,47.92 153.352,47.625 160.382,47.625 160.677,47.92 T17.1@160.677,48.725
  Bottom w0.254: v1(74.422,65.405) 73.787,64.77 73.17,64.77 72.263,63.863 72.263,60.198 76.454,56.007 76.454,54.61 77.47,53.594 94.234,53.594 95.25,54.61 103.505,54.61 104.14,55.245 131.826,55.245 136.271,59.69 143.764,59.69 145.669,57.785 146.177,57.785 147.066,58.674 149.68,58.674 151.257,57.097 151.257,52.959 152.781,51.435 v1(153.035,51.435)
RB6CO: J47.1 J47.2 J48.1 J48.2 K10.11 K10.21 K11.11 K11.21 K12.11 K12.21 K13.11 K13.21 | length 336.1
  Top w2.54: J48.1@150.185,-6.19 J48.2@150.185,1.43 J47.1@150.185,3.81 J47.2@150.185,11.43 152.559,11.43 154.146,13.018 154.146,21.59 ; K10.11@150.555,21.68 K10.21@158.055,21.68 K11.11@165.795,21.68 K11.21@173.295,21.68 K12.11@181.035,21.68 K12.21@188.535,21.68 K13.11@196.275,21.68 K13.21@203.775,21.68
  Mid-Layer1 w2.54: J48.1@150.185,-6.19 J48.2@150.185,1.43 J47.1@150.185,3.81 J47.2@150.185,11.43 152.559,11.43 154.146,13.018 154.146,21.59 ; K10.11@150.555,21.68 K10.21@158.055,21.68 K11.11@165.795,21.68 K11.21@173.295,21.68 K12.11@181.035,21.68 K12.21@188.535,21.68 K13.11@196.275,21.68 K13.21@203.775,21.68
  Mid-Layer2 w2.54: J48.1@150.185,-6.19 J48.2@150.185,1.43 J47.1@150.185,3.81 J47.2@150.185,11.43 152.559,11.43 154.146,13.018 154.146,21.59 ; K10.11@150.555,21.68 K10.21@158.055,21.68 K11.11@165.795,21.68 K11.21@173.295,21.68 K12.11@181.035,21.68 K12.21@188.535,21.68 K13.11@196.275,21.68 K13.21@203.775,21.68
  Bottom w2.54: J48.1@150.185,-6.19 J48.2@150.185,1.43 J47.1@150.185,3.81 J47.2@150.185,11.43 152.559,11.43 154.146,13.018 154.146,21.59 ; K10.11@150.555,21.68 K10.21@158.055,21.68 K11.11@165.795,21.68 K11.21@173.295,21.68 K12.11@181.035,21.68 K12.21@188.535,21.68 K13.11@196.275,21.68 K13.21@203.775,21.68
RB6NO: J50.1 J50.2 K10.14 K10.24 | length 91.9
  Top w2.54: J50.1@157.805,-6.19 J50.2@157.805,1.43 158.055,1.68 K10.24@158.055,16.68
  Mid-Layer1 w2.54: J50.1@157.805,-6.19 J50.2@157.805,1.43 158.055,1.68 K10.24@158.055,16.68
  Mid-Layer2 w2.54: J50.1@157.805,-6.19 J50.2@157.805,1.43 158.055,1.68 K10.24@158.055,16.68
  Bottom w2.54: J50.1@157.805,-6.19 J50.2@157.805,1.43 158.055,1.68 K10.24@158.055,16.68